# Altium PCB Fastino-DIOT.PCBDOC (part 7 of 22) (continued)
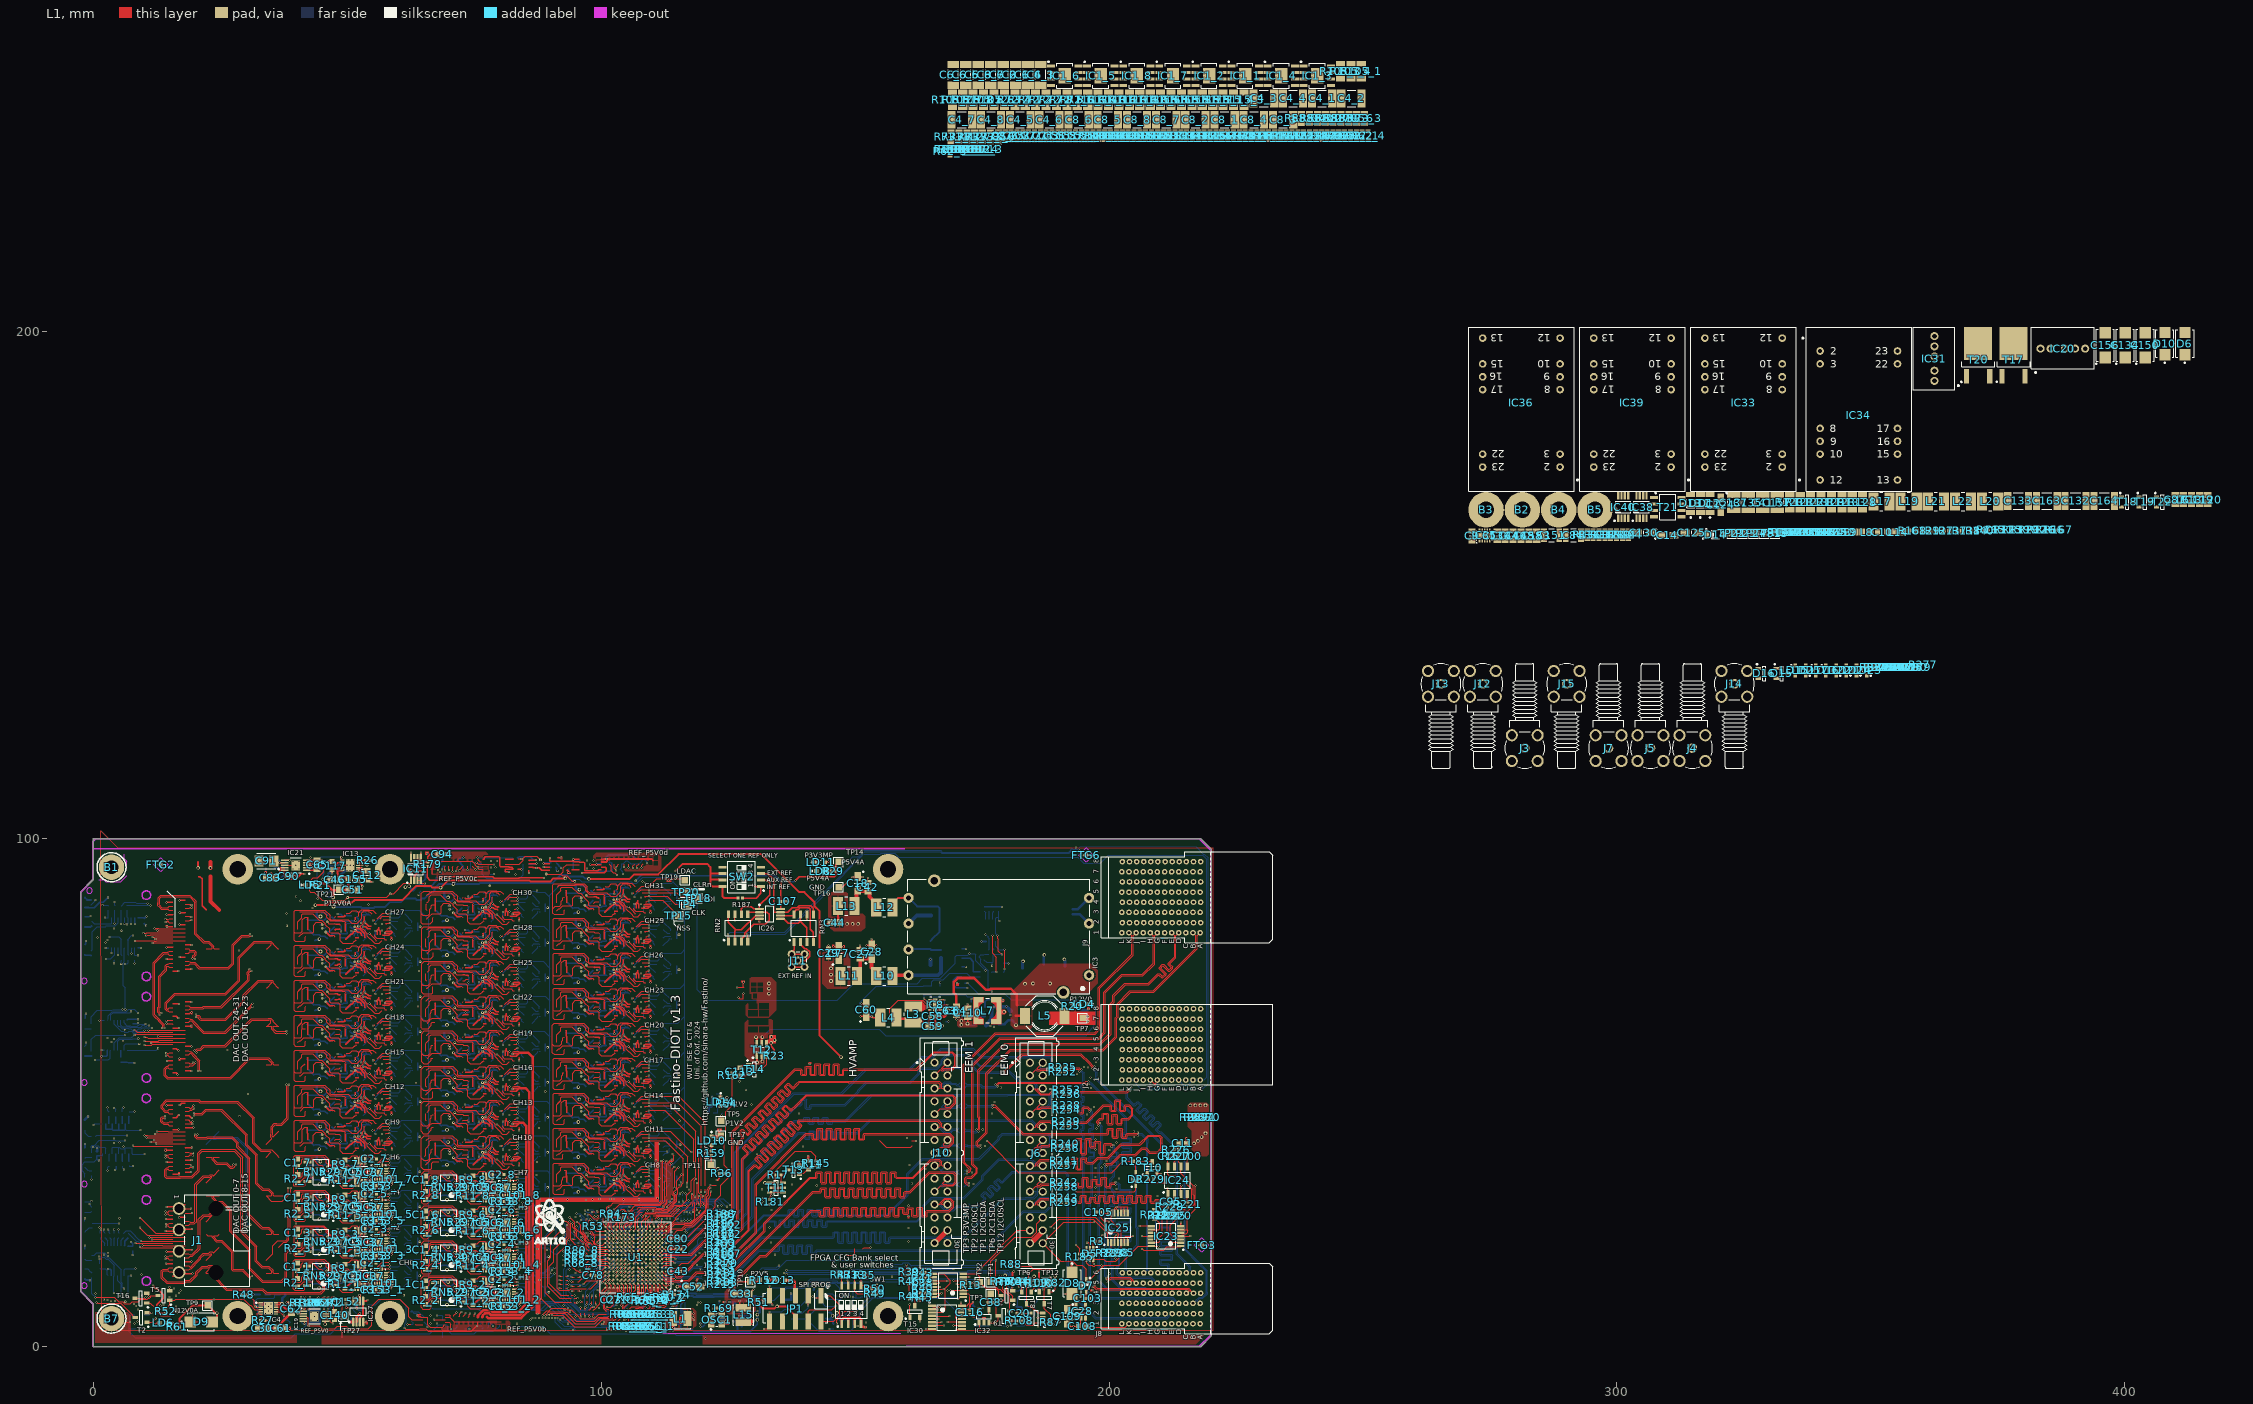
[diagram p0: L1 view]
## Nets (pads, with @x,y where several pads share a name; then routed paths per layer and width w, separated by ;. In a path a pad name is that pad's centre, name@x,y a point inside that pad or via, vN(x,y) a via of type N, cw(c..) or ccw(c..) an arc to the next point about the centre after c; other vN are vias at no path point) (continued)
  L1 w0.127: U1.P4@110.4,22 110.4,22.024 110.744,22.368 v1(110.744,22.393) ; v1@119.185,27.948 119.193,27.957 119.193,28.515 119.24,28.562 ; 119.202,28.523 119.215,28.511 119.215,27.96 v1(119.227,27.948)
  L2 w0.127: v1(110.744,22.393) 110.744,22.436 112.169,23.861 115.195,23.861 115.633,24.299 117.856,24.299 119.646,26.09 119.646,27.486 v1@119.206,27.926
EEM0_0_N: J6.3 R75.1 R206.2 R252.2 | length 103
  L1 w0.127: J6.3@184.417,53.361 185.536,54.48 185.641,54.48 185.797,54.323 186.519,54.323 186.606,54.41 190.14,54.41 190.43,54.12 R252.2@190.43,54.1
  L8 w0.127: R206.2@120.675,25.451 120.695,25.451 120.842,25.304 120.842,25.302 120.916,25.228 121.205,25.228 121.28,25.302 121.28,25.331 121.506,25.558 R75.1@121.526,25.558 121.546,25.558 121.772,25.331 121.772,25.302 121.847,25.228 122.413,25.228 122.534,25.107 123.811,25.107 126.162,27.457 126.162,38.292 137.857,49.987 138.582,49.987 139.301,49.987 147.306,49.987 152.03,54.712 160.616,54.712 163.101,57.196 165.28,57.196 166.863,58.779 173.216,58.779 173.379,58.616 174.824,57.171 188.411,57.171 188.805,56.777 188.805,55.509 187.829,54.532 185.588,54.532 J6.3@184.417,53.361
EEM0_0_P: J6.2 R75.2 R207.2 R235.2 | length 100.6
  L1 w0.127: J6.2@186.957,55.901 185.838,54.782 185.838,54.677 185.913,54.603 186.403,54.603 186.49,54.69 190.14,54.69 190.43,54.98 R235.2@190.43,55
  L8 w0.127: R207.2@120.675,24.714 120.695,24.714 120.842,24.861 120.842,24.868 120.921,24.948 121.205,24.948 121.28,24.874 121.28,24.844 121.506,24.618 R75.2@121.526,24.618 121.546,24.618 121.772,24.844 121.772,24.874 121.847,24.948 122.297,24.948 122.418,24.827 123.927,24.827 126.441,27.342 126.441,38.176 137.973,49.708 138.582,49.708 139.301,49.708 147.422,49.708 152.146,54.432 160.732,54.432 163.217,56.917 165.396,56.917 166.979,58.5 173.1,58.5 174.708,56.892 188.295,56.892 188.526,56.661 188.526,55.624 187.713,54.812 186.494,54.812 186.42,54.886 186.42,55.038 186.957,55.575 J6.2@186.957,55.901
EEM0_1_N: J6.6 R95.1 R176.2 R253.2 | length 101.1
  L1 w0.127: J6.6@186.957,50.821 185.901,50.821 185.827,50.747 185.827,50.551 186.547,49.831 188.225,49.831 188.684,50.29 190.89,50.29 191.18,50.58 R253.2@191.18,50.6
  L8 w0.127: R176.2@120.688,23.571 120.708,23.571 120.949,23.33 121.205,23.33 121.28,23.404 121.28,23.434 121.506,23.66 R95.1@121.526,23.66 121.546,23.66 121.772,23.434 121.772,23.404 121.847,23.33 122.883,23.33 122.919,23.293 123.75,23.293 127.584,27.127 127.584,36.793 131.705,40.914 132.818,42.027 138.543,47.752 139.04,47.752 139.185,47.752 139.259,47.826 139.259,48.604 139.423,48.768 140.289,48.768 140.453,48.604 140.453,47.022 141.088,47.022 141.088,47.514 141.326,47.752 142.458,47.752 147.98,47.752 150.546,50.317 150.546,50.509 152.182,52.145 159.094,52.145 159.122,52.116 160.716,52.116 162.4,53.8 162.4,54.476 162.86,54.936 166.057,54.936 166.917,55.796 166.917,56.453 168.043,57.579 172.416,57.579 174.553,55.442 179.258,55.442 182.584,52.116 185.204,52.116 185.827,51.493 185.827,50.895 185.901,50.821 J6.6@186.957,50.821
EEM0_1_P: J6.5 R95.2 R178.2 R236.2 | length 101
  L1 w0.127: J6.5@184.417,50.821 185.473,50.821 185.547,50.747 185.547,50.435 186.431,49.551 188.341,49.551 188.8,50.01 190.89,50.01 191.18,49.72 R236.2@191.18,49.7
  L8 w0.127: R178.2@120.713,22.835 120.733,22.835 120.949,23.05 121.205,23.05 121.28,22.976 121.28,22.947 121.506,22.72 R95.2@121.526,22.72 121.546,22.72 121.772,22.947 121.772,22.976 121.847,23.05 122.767,23.05 122.804,23.014 123.866,23.014 127.863,27.011 127.863,36.677 131.902,40.716 133.016,41.83 138.659,47.473 139.04,47.473 139.301,47.473 139.539,47.711 139.539,48.489 140.174,48.489 140.174,46.906 140.337,46.742 141.204,46.742 141.368,46.906 141.368,47.398 141.442,47.473 142.458,47.473 148.096,47.473 150.825,50.202 150.825,50.394 152.298,51.866 158.978,51.866 159.007,51.837 160.832,51.837 162.679,53.684 162.679,54.36 162.976,54.657 166.173,54.657 167.196,55.68 167.196,56.337 168.159,57.3 172.3,57.3 173.4,56.2 174.437,55.163 179.142,55.163 179.702,54.602 182.468,51.837 185.088,51.837 185.547,51.378 185.547,50.895 185.473,50.821 J6.5@184.417,50.821
EEM0_2_N: J6.9 R96.1 R180.2 R254.2 | length 105.2
  L1 w0.127: J6.9@184.417,45.741 185.536,46.86 185.641,46.86 185.797,46.703 186.519,46.703 186.726,46.91 190.89,46.91 191.18,46.62 R254.2@191.18,46.6
  L8 w0.127: R180.2@120.726,21.641 120.746,21.641 120.892,21.494 120.892,21.476 120.967,21.401 121.141,21.401 121.165,21.425 121.231,21.425 121.305,21.499 121.305,21.529 121.531,21.755 R96.1@121.551,21.755 121.571,21.755 121.798,21.529 121.798,21.499 121.872,21.425 123.609,21.425 128.562,26.378 128.562,35.079 138.009,44.526 139.634,44.526 139.779,44.526 139.854,44.601 139.854,45.01 140.018,45.173 140.884,45.173 141.048,45.01 141.048,44.091 141.683,44.091 141.683,45.01 141.846,45.173 142.713,45.173 142.876,45.01 142.876,44.091 143.511,44.091 143.511,45.01 143.675,45.173 144.542,45.173 144.705,45.01 144.705,44.091 145.34,44.091 145.34,44.288 145.578,44.526 146.74,44.526 148.042,44.526 153.22,49.704 180.1,49.704 ; 180.1,49.729 188.282,49.729 188.52,49.491 188.52,47.685 187.696,46.861 186.292,46.861 186.134,46.703 185.797,46.703 185.641,46.86 185.536,46.86 J6.9@184.417,45.741
EEM0_2_P: J6.8 R96.2 R182.2 R238.2 | length 103.8
  L1 w0.127: J6.8@186.957,48.281 185.838,47.162 185.838,47.057 185.913,46.983 186.403,46.983 186.61,47.19 190.89,47.19 191.18,47.48 R238.2@191.18,47.5
  L8 w0.127: R182.2@120.701,20.93 120.721,20.93 120.938,21.147 121.163,21.147 121.165,21.145 121.231,21.145 121.305,21.071 121.305,21.042 121.531,20.815 R96.2@121.551,20.815 121.571,20.815 121.798,21.042 121.798,21.071 121.872,21.145 123.725,21.145 128.842,26.262 128.842,34.963 138.125,44.247 139.634,44.247 139.895,44.247 140.133,44.485 140.133,44.894 140.768,44.894 140.768,43.975 140.932,43.812 141.798,43.812 141.962,43.975 141.962,44.894 142.597,44.894 142.597,43.975 142.761,43.812 143.627,43.812 143.791,43.975 143.791,44.894 144.426,44.894 144.426,43.975 144.59,43.812 145.456,43.812 145.62,43.975 145.62,44.172 145.694,44.247 146.74,44.247 148.158,44.247 153.336,49.425 180.1,49.425 ; 180.1,49.45 188.167,49.45 188.241,49.376 188.241,47.801 187.581,47.141 186.176,47.141 186.018,46.983 185.913,46.983 185.838,47.057 185.838,47.162 J6.8@186.957,48.281
EEM0_3_N: J6.12 R37.1 R184.2 R255.2 | length 99
  L1 w0.127: J6.12@186.957,43.201 185.901,43.201 185.827,43.275 185.827,43.472 186.547,44.192 188.364,44.192 188.545,44.01 189.799,44.01 190.009,43.8 190.8,43.8 191.09,43.51 R255.2@191.09,43.49
  L8 w0.127: R184.2@120.713,19.838 120.733,19.838 120.879,19.692 120.879,19.639 120.98,19.539 121.231,19.539 121.305,19.613 121.305,19.643 121.531,19.869 R37.1@121.551,19.869 121.571,19.869 121.798,19.643 121.798,19.613 121.872,19.539 123.577,19.539 129.667,25.629 129.667,33.009 138.822,42.164 139.243,42.164 140.055,42.164 140.293,41.926 140.293,41.148 140.928,41.148 140.928,42.384 141.092,42.548 141.958,42.548 142.122,42.384 142.122,41.148 142.757,41.148 142.757,42.384 142.921,42.548 143.787,42.548 143.951,42.384 143.951,41.148 144.586,41.148 144.586,42.384 144.749,42.548 145.616,42.548 145.779,42.384 145.779,41.148 146.414,41.148 146.414,41.926 146.653,42.164 146.914,42.164 150.419,42.164 152.883,44.629 169.655,44.629 169.66,44.634 184.78,44.634 185.827,43.587 185.827,43.275 185.901,43.201 J6.12@186.957,43.201
EEM0_3_P: J6.11 R37.2 R186.2 R239.2 | length 99
  L1 w0.127: J6.11@184.417,43.201 185.473,43.201 185.547,43.275 185.547,43.587 186.431,44.471 188.48,44.471 188.661,44.29 189.915,44.29 190.125,44.079 190.8,44.079 191.09,44.37 R239.2@191.09,44.39
  L8 w0.127: R186.2@120.701,19.025 120.721,19.025 120.867,19.171 120.867,19.185 120.941,19.26 121.231,19.26 121.305,19.185 121.305,19.156 121.531,18.929 R37.2@121.551,18.929 121.571,18.929 121.798,19.156 121.798,19.185 121.872,19.26 123.693,19.26 129.946,25.513 129.946,32.893 138.938,41.885 139.243,41.885 139.939,41.885 140.014,41.81 140.014,41.032 140.177,40.869 141.044,40.869 141.207,41.032 141.207,42.269 141.842,42.269 141.842,41.032 142.006,40.869 142.873,40.869 143.036,41.032 143.036,42.269 143.671,42.269 143.671,41.032 143.835,40.869 144.701,40.869 144.865,41.032 144.865,42.269 145.5,42.269 145.5,41.032 145.664,40.869 146.53,40.869 146.694,41.032 146.694,41.81 146.768,41.885 146.914,41.885 150.535,41.885 152.999,44.349 169.77,44.349 169.776,44.355 184.664,44.355 185.547,43.472 185.547,43.275 185.473,43.201 J6.11@184.417,43.201
EEM0_4_N: J6.15 R85.1 R216.2 R256.2 | length 107.7
  L1 w0.127: J6.15@184.417,38.121 185.536,39.24 185.641,39.24 185.797,39.083 186.519,39.083 186.826,39.391 188.192,39.391 188.411,39.61 189.78,39.61 190.03,39.36 190.64,39.36 190.93,39.07 R256.2@190.93,39.05
  L8 w0.127: R216.2@120.713,17.907 120.733,17.907 120.879,17.761 120.879,17.753 120.984,17.648 121.234,17.648 121.309,17.723 121.309,17.752 121.535,17.979 R85.1@121.555,17.979 121.575,17.979 121.802,17.752 121.802,17.723 121.876,17.648 123.61,17.648 131.962,26 136.652,26 136.797,26 136.872,26.074 136.872,26.852 137.035,27.016 137.902,27.016 138.066,26.852 138.066,25.855 138.701,25.855 138.701,26.852 138.864,27.016 139.731,27.016 139.894,26.852 139.894,25.855 140.529,25.855 140.529,26.852 140.693,27.016 141.559,27.016 141.723,26.852 141.723,25.855 142.358,25.855 142.358,26.852 142.522,27.016 143.388,27.016 143.552,26.852 143.552,25.855 144.187,25.855 144.187,26.852 144.351,27.016 145.217,27.016 145.381,26.852 145.381,25.855 146.016,25.855 146.016,26.852 146.179,27.016 147.046,27.016 147.21,26.852 147.21,26.074 147.284,26 148.412,26 156.259,26 160.159,29.9 160.159,34.054 163.184,37.079 174.382,37.079 178.221,40.919 178.221,41.278 178.978,42.035 187.981,42.035 188.653,41.364 188.653,39.913 187.956,39.216 185.512,39.216 J6.15@184.417,38.121
EEM0_4_P: J6.14 R85.2 R217.2 R240.2 | length 105.2
  L1 w0.127: J6.14@186.957,40.661 185.838,39.542 185.838,39.437 185.913,39.363 186.403,39.363 186.711,39.671 188.076,39.671 188.295,39.89 189.896,39.89 190.146,39.64 190.64,39.64 190.93,39.93 R240.2@190.93,39.95
  L8 w0.127: R217.2@120.713,17.17 120.733,17.17 120.931,17.369 121.234,17.369 121.309,17.294 121.309,17.265 121.535,17.039 R85.2@121.555,17.039 121.575,17.039 121.802,17.265 121.802,17.294 121.876,17.369 123.726,17.369 132.077,25.721 136.652,25.721 136.913,25.721 137.151,25.959 137.151,26.737 137.786,26.737 137.786,25.739 137.95,25.576 138.816,25.576 138.98,25.739 138.98,26.737 139.615,26.737 139.615,25.739 139.779,25.576 140.645,25.576 140.809,25.739 140.809,26.737 141.444,26.737 141.444,25.739 141.607,25.576 142.474,25.576 142.638,25.739 142.638,26.737 143.273,26.737 143.273,25.739 143.436,25.576 144.303,25.576 144.466,25.739 144.466,26.737 145.101,26.737 145.101,25.739 145.265,25.576 146.131,25.576 146.295,25.739 146.295,26.737 146.93,26.737 146.93,25.959 147.168,25.721 148.412,25.721 156.375,25.721 160.439,29.784 160.439,33.939 163.3,36.8 174.497,36.8 178.501,40.803 178.501,41.163 179.094,41.756 187.866,41.756 188.374,41.248 188.374,40.029 187.84,39.495 186.674,39.495 186.599,39.57 186.599,39.905 186.957,40.263 J6.14@186.957,40.661
EEM0_5_N: J6.18 R59.1 R190.2 R257.2 | length 96.8
  L1 w0.127: J6.18@186.957,35.581 185.901,35.581 185.827,35.655 185.827,35.852 186.547,36.572 188.174,36.572 188.735,36.01 190.39,36.01 190.68,35.72 R257.2@190.68,35.7
  L8 w0.127: R190.2@120.624,15.9 120.644,15.9 R190.2@120.791,15.754 ; R190.2@120.791,15.753 120.865,15.679 121.146,15.679 121.22,15.753 121.22,15.783 121.447,16.009 R59.1@121.467,16.009 121.487,16.009 121.713,15.783 121.713,15.753 121.787,15.679 123.477,15.679 132.612,24.814 133.934,24.814 134.221,24.814 134.459,24.576 134.459,23.798 135.094,23.798 135.094,24.767 135.258,24.93 136.124,24.93 136.288,24.767 136.288,23.798 136.923,23.798 136.923,24.767 137.087,24.93 137.953,24.93 138.117,24.767 138.117,23.798 138.752,23.798 138.752,24.767 138.915,24.93 139.782,24.93 139.946,24.767 139.946,23.798 140.581,23.798 140.581,24.767 140.744,24.93 141.611,24.93 141.774,24.767 141.774,23.798 142.409,23.798 142.409,24.767 142.573,24.93 143.439,24.93 143.603,24.767 143.603,23.798 144.238,23.798 144.238,24.576 144.476,24.814 144.737,24.814 162.119,24.814 163.431,26.126 163.431,27.826 164.984,29.379 171.365,29.379 174.313,32.327 174.931,32.945 174.931,33.681 178.257,37.006 184.788,37.006 185.827,35.967 185.827,35.655 185.901,35.581 J6.18@186.957,35.581
EEM0_5_P: J6.17 R59.2 R191.2 R241.2 | length 96.8
  L1 w0.127: J6.17@184.417,35.581 185.473,35.581 185.547,35.655 185.547,35.967 186.431,36.851 188.29,36.851 188.851,36.29 190.39,36.29 190.68,36.58 R241.2@190.68,36.6
  L8 w0.127: R191.2@120.624,15.164 120.644,15.164 120.791,15.31 120.791,15.318 120.873,15.4 121.146,15.4 121.22,15.325 121.22,15.296 121.447,15.069 R59.2@121.467,15.069 121.487,15.069 121.713,15.296 121.713,15.325 121.787,15.4 123.592,15.4 132.727,24.535 133.934,24.535 134.105,24.535 134.18,24.46 134.18,23.682 134.343,23.519 135.21,23.519 135.374,23.682 135.374,24.651 136.009,24.651 136.009,23.682 136.172,23.519 137.039,23.519 137.202,23.682 137.202,24.651 137.837,24.651 137.837,23.682 138.001,23.519 138.867,23.519 139.031,23.682 139.031,24.651 139.666,24.651 139.666,23.682 139.83,23.519 140.696,23.519 140.86,23.682 140.86,24.651 141.495,24.651 141.495,23.682 141.659,23.519 142.525,23.519 142.689,23.682 142.689,24.651 143.324,24.651 143.324,23.682 143.487,23.519 144.354,23.519 144.518,23.682 144.518,24.46 144.592,24.535 144.737,24.535 162.235,24.535 163.71,26.01 163.71,27.71 165.1,29.1 171.481,29.1 174.429,32.048 175.211,32.83 175.211,33.565 178.373,36.727 184.672,36.727 185.547,35.852 185.547,35.655 185.473,35.581 J6.17@184.417,35.581
EEM0_6_N: J6.21 R98.1 R192.2 R258.2 | length 104.2
  L1 w0.127: J6.21@184.417,30.501 185.536,31.62 185.641,31.62 185.797,31.463 186.519,31.463 186.816,31.76 190.39,31.76 190.68,31.47 R258.2@190.68,31.45
  L8 w0.127: R192.2@120.599,14.019 120.619,14.019 120.765,13.872 120.765,13.871 120.862,13.774 121.146,13.774 121.22,13.848 121.22,13.878 121.447,14.104 R98.1@121.467,14.104 121.487,14.104 121.713,13.878 121.713,13.848 121.787,13.774 123.771,13.774 131.633,21.636 144.704,21.636 145.607,21.636 145.681,21.711 145.681,22.489 145.845,22.652 146.711,22.652 146.875,22.489 146.875,20.62 147.51,20.62 147.51,22.489 147.674,22.652 148.54,22.652 148.704,22.489 148.704,20.62 149.339,20.62 149.339,22.489 149.503,22.652 150.369,22.652 150.533,22.489 150.533,20.62 151.168,20.62 151.168,22.489 151.331,22.652 152.198,22.652 152.361,22.489 152.361,20.62 152.996,20.62 152.996,22.489 153.16,22.652 154.027,22.652 154.19,22.489 154.19,20.62 154.825,20.62 154.825,22.489 154.989,22.652 155.855,22.652 156.019,22.489 156.019,20.62 156.654,20.62 156.654,21.398 156.892,21.636 157.153,21.636 171.336,21.636 179.03,29.33 183.53,29.33 183.612,29.412 185.117,29.412 185.656,29.951 185.656,30.555 185.581,30.629 184.545,30.629 J6.21@184.417,30.501
EEM0_6_P: J6.20 R98.2 R193.2 R242.2 | length 106
  L1 w0.127: J6.20@186.957,33.041 185.838,31.922 185.838,31.817 185.913,31.743 186.403,31.743 186.7,32.04 190.39,32.04 190.68,32.33 R242.2@190.68,32.35
  L8 w0.127: R193.2@120.624,13.284 120.644,13.284 120.855,13.495 121.146,13.495 121.22,13.42 121.22,13.391 121.447,13.164 R98.2@121.467,13.164 121.487,13.164 121.713,13.391 121.713,13.42 121.787,13.495 123.886,13.495 131.749,21.357 144.704,21.357 145.723,21.357 145.961,21.595 145.961,22.373 146.596,22.373 146.596,20.505 146.759,20.341 147.626,20.341 147.789,20.505 147.789,22.373 148.424,22.373 148.424,20.505 148.588,20.341 149.455,20.341 149.618,20.505 149.618,22.373 150.253,22.373 150.253,20.505 150.417,20.341 151.283,20.341 151.447,20.505 151.447,22.373 152.082,22.373 152.082,20.505 152.246,20.341 153.112,20.341 153.276,20.505 153.276,22.373 153.911,22.373 153.911,20.505 154.075,20.341 154.941,20.341 155.105,20.505 155.105,22.373 155.74,22.373 155.74,20.505 155.903,20.341 156.77,20.341 156.933,20.505 156.933,21.283 157.008,21.357 157.153,21.357 171.452,21.357 179.145,29.05 183.645,29.05 183.727,29.132 185.233,29.132 185.935,29.835 185.935,32.019 J6.20@186.957,33.041
EEM0_7_N: J6.24 R99.1 R194.2 R259.2 | length 97.4
  L1 w0.127: J6.24@186.957,27.961 185.901,27.961 185.827,28.035 185.827,28.232 186.547,28.952 188.334,28.952 188.575,28.71 190.39,28.71 190.68,28.42 R259.2@190.68,28.4
  L8 w0.127: R194.2@120.624,12.09 120.644,12.09 120.866,11.869 121.146,11.869 121.22,11.943 121.22,11.973 121.447,12.199 R99.1@121.467,12.199 121.487,12.199 121.713,11.973 121.713,11.943 121.787,11.869 123.876,11.869 131.028,19.021 134.163,19.021 134.8,19.021 134.874,19.096 134.874,19.874 135.038,20.037 135.905,20.037 136.068,19.874 136.068,18.493 136.703,18.493 136.703,19.874 136.867,20.037 137.733,20.037 137.897,19.874 137.897,18.493 138.532,18.493 138.532,19.874 138.696,20.037 139.562,20.037 139.726,19.874 139.726,18.493 140.361,18.493 140.361,19.874 140.525,20.037 141.391,20.037 141.555,19.874 141.555,18.493 142.19,18.493 142.19,18.783 142.428,19.021 142.689,19.021 171.3,19.021 171.999,19.721 176.076,19.721 183.112,26.757 187.472,26.757 188.323,27.608 188.323,28.725 187.916,29.132 186.48,29.132 186.265,28.918 186.265,28.653 J6.24@186.957,27.961
EEM0_7_P: J6.23 R99.2 R195.2 R243.2 | length 100
  L1 w0.127: J6.23@184.417,27.961 185.473,27.961 185.547,28.035 185.547,28.347 186.431,29.231 188.45,29.231 188.691,28.99 190.39,28.99 190.68,29.28 R243.2@190.68,29.3
  L8 w0.127: R195.2@120.624,11.379 120.644,11.379 120.855,11.59 121.146,11.59 121.22,11.515 121.22,11.486 121.447,11.259 R99.2@121.467,11.259 121.487,11.259 121.713,11.486 121.713,11.515 121.787,11.59 123.992,11.59 131.144,18.742 134.163,18.742 134.916,18.742 135.154,18.98 135.154,19.758 135.789,19.758 135.789,18.378 135.953,18.214 136.819,18.214 136.983,18.378 136.983,19.758 137.618,19.758 137.618,18.378 137.781,18.214 138.648,18.214 138.811,18.378 138.811,19.758 139.446,19.758 139.446,18.378 139.61,18.214 140.477,18.214 140.64,18.378 140.64,19.758 141.275,19.758 141.275,18.378 141.439,18.214 142.305,18.214 142.469,18.378 142.469,18.668 142.543,18.742 142.689,18.742 171.416,18.742 172.115,19.441 176.191,19.441 183.228,26.478 187.588,26.478 188.602,27.492 188.602,28.841 188.032,29.412 186.364,29.412 185.986,29.033 185.986,28.918 185.297,28.228 184.684,28.228 J6.23@184.417,27.961
EEM0_SCL: R74.2 T6.2 U1.M15 | length 103.7
  L1 w0.127: v1(101.168,20.821) 101.173,20.821 101.595,20.4 U1.M15@101.6,20.4 ; R74.2@180.988,12.409 180.988,11.061 T6.2@181.028,11.022
  L6 w0.127: v1(125.324,27.915) 131.415,27.915 131.415,27.981 131.64,28.207 v1(131.64,28.25)
  L5 w0.127: v1(131.64,28.25) 131.61,28.219 131.61,18.531 131.75,18.391 131.75,18.25 135.5,14.5 v1(136,14.5)
  L8 w0.127: v1(101.168,20.821) 101.609,21.263 101.609,26.008 102.162,26.561 102.692,26.561 104.638,28.507 107.607,28.507 107.834,28.734 111.279,28.734 111.41,28.865 113.587,28.865 114.329,28.123 116.155,28.123 116.477,28.446 117.048,28.446 117.085,28.408 117.915,28.408 118.65,29.143 124.07,29.143 125.289,27.924 125.314,27.924 v1(125.324,27.915) ; v1(136,14.5) 136.074,14.5 136.214,14.64 146.088,14.64 146.338,14.89 146.662,14.89 147.048,14.504 162.219,14.504 162.226,14.511 166.982,14.511 166.989,14.504 172.165,14.504 172.419,14.757 179.301,14.757 cw(c179.527,13.995) 179.608,14.786 179.896,14.757 180.504,14.149 180.504,13.496 181,13 v1(181,11.75)
EEM0_SDA: R78.2 T9.2 U1.J11 | length 109.7
  L1 w0.127: v1@104.427,18.352 104.448,18.352 104.779,18.021 U1.J11@104.779,18 ; v1@177.698,17 177.698,13.379 177.722,13.356 177.722,13.261 177.951,13.032 178.135,13.032 178.758,12.408 R78.2@178.778,12.408 178.798,12.408 179.025,12.182 179.025,11.253 180.312,9.966 180.312,8.718 180.469,8.561 T9.2@180.469,7.009
  L6 w0.127: v1(99.238,11.151) 99.813,11.725 99.813,12.76 101.032,13.979 101.277,13.979 101.616,14.318 101.616,14.564 101.87,14.818 102.975,14.818 103.21,15.053 103.21,15.37 103.445,15.605 104.575,15.605 104.81,15.84 104.81,17.99 v1(104.4,18.4)
  L8 w0.127: v1(99.238,11.151) 99.762,10.627 99.762,8.494 101.421,6.834 103.957,6.834 106.414,9.291 109.163,9.291 109.219,9.235 109.567,9.235 109.67,9.338 112.43,9.338 112.658,9.566 112.658,9.605 113.308,10.254 115.106,10.254 115.487,10.635 118.602,10.635 118.852,10.385 121.892,10.385 122.034,10.527 126.727,10.527 126.852,10.403 127.414,10.403 128.418,11.406 128.418,11.862 129.421,12.865 130.31,12.865 132.161,14.716 132.161,15.149 132.27,15.258 134.811,15.258 136.552,17 165.212,17 165.312,17.1 171.8,17.1 171.9,17 v1(177.75,17)
EEM1_0_N: J10.3 R97.1 R188.2 R260.2 | length 98.8
  L1 w0.127: R188.2@123.98,26.195 124.196,25.979 124.478,25.979 124.552,26.054 124.552,26.083 124.779,26.31 R97.1@124.799,26.31 124.819,26.31 125.045,26.083 125.045,26.054 125.119,25.979 125.222,25.979 125.721,26.478 125.721,42.316 138.09,54.685 138.582,54.685 139.327,54.685 139.565,54.447 139.565,53.669 140.2,53.669 140.2,55.069 140.364,55.232 141.23,55.232 141.394,55.069 141.394,53.669 142.029,53.669 142.029,55.538 142.192,55.701 143.059,55.701 143.222,55.538 143.222,53.669 143.857,53.669 143.857,55.538 144.021,55.701 144.888,55.701 145.051,55.538 145.051,53.669 145.686,53.669 145.686,55.538 145.85,55.701 146.716,55.701 146.88,55.538 146.88,53.669 147.515,53.669 147.515,54.447 147.753,54.685 148.014,54.685 162.076,54.685 165.491,58.1 169.097,58.1 169.933,57.264 169.933,55.28 169.2,54.547 167.562,54.547 167.363,54.349 167.027,54.349 166.87,54.505 166.765,54.505 J10.3@165.647,53.386
  L8 w0.127: J10.3@165.647,53.386 166.765,54.505 166.87,54.505 167.027,54.349 167.748,54.349 168.056,54.657 168.972,54.657 169.175,54.86 170.459,54.86 170.534,54.786 170.534,54.726 R260.2@170.76,54.5
EEM1_0_P: J10.2 R97.2 R189.2 R244.2 | length 97.2
  L1 w0.127: R189.2@124.114,25.618 124.196,25.7 124.478,25.7 124.552,25.626 124.552,25.596 124.779,25.37 R97.2@124.799,25.37 124.819,25.37 125.045,25.596 125.045,25.626 125.119,25.7 125.338,25.7 126,26.362 126,42.2 138.206,54.406 138.582,54.406 139.211,54.406 139.285,54.332 139.285,53.554 139.449,53.39 140.316,53.39 140.479,53.554 140.479,54.953 141.114,54.953 141.114,53.554 141.278,53.39 142.144,53.39 142.308,53.554 142.308,55.422 142.943,55.422 142.943,53.554 143.107,53.39 143.973,53.39 144.137,53.554 144.137,55.422 144.772,55.422 144.772,53.554 144.936,53.39 145.802,53.39 145.966,53.554 145.966,55.422 146.601,55.422 146.601,53.554 146.764,53.39 147.631,53.39 147.794,53.554 147.794,54.332 147.869,54.406 148.014,54.406 162.192,54.406 165.607,57.821 168.982,57.821 169.654,57.148 169.654,55.396 169.085,54.827 167.446,54.827 167.247,54.628 167.142,54.628 167.068,54.703 167.068,54.808 J10.2@168.187,55.926
  L8 w0.127: J10.2@168.187,55.926 167.068,54.808 167.068,54.703 167.142,54.628 167.632,54.628 167.94,54.936 168.856,54.936 169.06,55.14 170.459,55.14 170.534,55.214 170.534,55.274 R244.2@170.76,55.5
EEM1_1_N: J10.6 R102.1 R196.2 R261.2 | length 94
  L1 w0.127: R196.2@123.96,24.316 123.98,24.316 124.196,24.1 124.478,24.1 124.552,24.174 124.552,24.203 124.779,24.43 R102.1@124.799,24.43 124.819,24.43 125.045,24.203 125.045,24.174 125.119,24.1 125.453,24.1 125.466,24.087 126.095,24.087 126.695,24.687 126.695,39.99 127.236,40.531 127.803,41.098 127.803,41.203 127.046,41.96 127.046,42.192 127.659,42.805 127.89,42.805 128.832,41.863 129.281,42.312 128.339,43.254 128.339,43.485 128.952,44.098 129.184,44.098 130.125,43.156 130.574,43.605 129.633,44.547 129.633,44.778 130.245,45.391 130.477,45.391 131.418,44.449 131.867,44.898 130.926,45.84 130.926,46.071 131.538,46.684 131.77,46.684 132.711,45.743 133.16,46.192 132.219,47.133 132.219,47.364 132.832,47.977 133.063,47.977 134.004,47.036 134.453,47.485 133.512,48.426 133.512,48.658 134.125,49.27 134.356,49.27 135.298,48.329 135.747,48.778 134.805,49.719 134.805,49.951 135.418,50.563 135.649,50.563 136.591,49.622 137.04,50.071 136.098,51.012 136.098,51.244 136.711,51.857 136.942,51.857 137.699,51.1 137.805,51.1 138.554,51.849 139.002,52.297 148.724,52.297 148.773,52.249 166.525,52.249 167.056,51.717 167.056,50.921 167.131,50.846 J10.6@168.187,50.846
  L8 w0.127: J10.6@168.187,50.846 167.131,50.846 167.056,50.921 167.056,51.117 167.776,51.837 168.597,51.837 168.816,51.618 169.748,51.618 170.006,51.36 170.429,51.36 170.504,51.286 170.504,51.226 R261.2@170.73,51
EEM1_1_P: J10.5 R102.2 R197.2 R245.2 | length 94
  L1 w0.127: R197.2@123.935,23.579 123.955,23.579 124.101,23.725 124.101,23.728 124.194,23.82 124.478,23.82 124.552,23.746 124.552,23.717 124.779,23.49 R102.2@124.799,23.49 124.819,23.49 125.045,23.717 125.045,23.746 125.119,23.82 125.338,23.82 125.35,23.808 126.211,23.808 126.975,24.571 126.975,39.875 127.433,40.334 128.083,40.983 128.083,41.319 127.326,42.076 127.775,42.525 128.716,41.584 128.947,41.584 129.56,42.196 129.56,42.428 128.619,43.369 129.068,43.818 130.009,42.877 130.241,42.877 130.853,43.49 130.853,43.721 129.912,44.662 130.361,45.111 131.302,44.17 131.534,44.17 132.146,44.783 132.146,45.014 131.205,45.956 131.654,46.405 132.596,45.463 132.827,45.463 133.44,46.076 133.44,46.307 132.498,47.249 132.947,47.698 133.889,46.756 134.12,46.756 134.733,47.369 134.733,47.6 133.791,48.542 134.24,48.991 135.182,48.049 135.413,48.049 136.026,48.662 136.026,48.894 135.085,49.835 135.534,50.284 136.475,49.343 136.706,49.343 137.08,49.716 137.319,49.955 137.319,50.187 136.378,51.128 136.827,51.577 137.584,50.82 137.92,50.82 138.751,51.651 139.118,52.018 148.609,52.018 148.657,51.969 166.409,51.969 166.777,51.602 166.777,50.921 166.702,50.846 J10.5@165.647,50.846
  L8 w0.127: J10.5@165.647,50.846 166.702,50.846 166.777,50.921 166.777,51.233 167.66,52.116 168.713,52.116 168.931,51.898 169.864,51.898 170.122,51.64 170.429,51.64 170.504,51.714 170.504,51.774 R245.2@170.73,52
EEM1_2_N: J10.9 R172.1 R198.2 R262.2 | length 98.5
  L1 w0.127: R198.2@123.96,22.438 124.072,22.326 124.572,22.326 R172.1@124.799,22.553 124.819,22.553 125.045,22.326 125.045,22.297 125.119,22.222 126.583,22.222 127.711,23.35 127.711,37.006 128.245,37.54 128.708,38.003 128.708,38.109 127.855,38.962 127.855,39.194 128.468,39.806 128.699,39.806 129.708,38.797 130.157,39.246 129.148,40.255 129.148,40.487 129.761,41.099 129.992,41.099 131.001,40.091 131.45,40.54 130.441,41.548 130.441,41.78 131.054,42.393 131.285,42.393 132.294,41.384 132.743,41.833 131.734,42.842 131.734,43.073 132.347,43.686 132.578,43.686 133.587,42.677 134.036,43.126 133.027,44.135 133.027,44.366 133.64,44.979 133.872,44.979 134.88,43.97 135.329,44.419 134.321,45.428 134.321,45.659 134.933,46.272 135.165,46.272 136.174,45.263 136.623,45.712 135.614,46.721 135.614,46.952 136.226,47.565 136.458,47.565 137.311,46.712 137.417,46.712 138.166,47.461 140.339,49.634 169.201,49.634 169.824,49.011 169.824,47.941 169.692,47.808 169.692,47.807 168.752,46.867 166.747,46.867 J10.9@165.647,45.766
  L8 w0.127: J10.9@165.647,45.766 166.765,46.885 166.87,46.885 167.027,46.729 167.748,46.729 168.002,46.983 170.011,46.983 170.238,47.21 170.54,47.21 170.83,46.92 R262.2@170.83,46.9
EEM1_2_P: J10.8 R172.2 R199.2 R246.2 | length 96.2
  L1 w0.127: R199.2@123.935,21.682 124.081,21.828 124.218,21.828 124.298,21.909 124.483,21.909 124.779,21.613 R172.2@124.799,21.613 124.819,21.613 125.045,21.839 125.045,21.869 125.119,21.943 126.699,21.943 127.991,23.235 127.991,36.891 128.443,37.343 128.988,37.888 128.988,38.224 128.134,39.078 128.583,39.527 129.592,38.518 129.824,38.518 130.436,39.131 130.436,39.362 129.427,40.371 129.876,40.82 130.885,39.811 131.117,39.811 131.729,40.424 131.729,40.655 130.721,41.664 131.17,42.113 132.178,41.104 132.41,41.104 133.023,41.717 133.023,41.948 132.014,42.957 132.463,43.406 133.472,42.397 133.703,42.397 134.316,43.01 134.316,43.242 133.307,44.25 133.756,44.699 134.765,43.691 134.996,43.691 135.609,44.303 135.609,44.535 134.6,45.544 135.049,45.993 136.058,44.984 136.289,44.984 136.902,45.596 136.902,45.828 135.893,46.837 136.342,47.286 137.196,46.432 137.532,46.432 138.363,47.263 140.455,49.355 169.085,49.355 169.545,48.895 169.545,48.057 169.412,47.924 169.412,47.923 168.636,47.146 167.816,47.146 167.741,47.221 167.741,47.463 168.187,47.908 J10.8@168.187,48.306
  L8 w0.127: J10.8@168.187,48.306 167.068,47.188 167.068,47.083 167.142,47.008 167.632,47.008 167.887,47.263 169.895,47.263 170.122,47.49 170.54,47.49 170.83,47.78 R246.2@170.83,47.8